# Altium PCB 1 040 1573.rev01.PcbDoc (part 3 of 3)
Units mm, origin at the board's own origin, x right, y up, seen from the top; angles counter-clockwise.
Board outline 106.1 x 59.15 mm, 2 copper layers (Top Layer, Bottom Layer); 130 components, 89 nets, 433 pads, 228 vias.
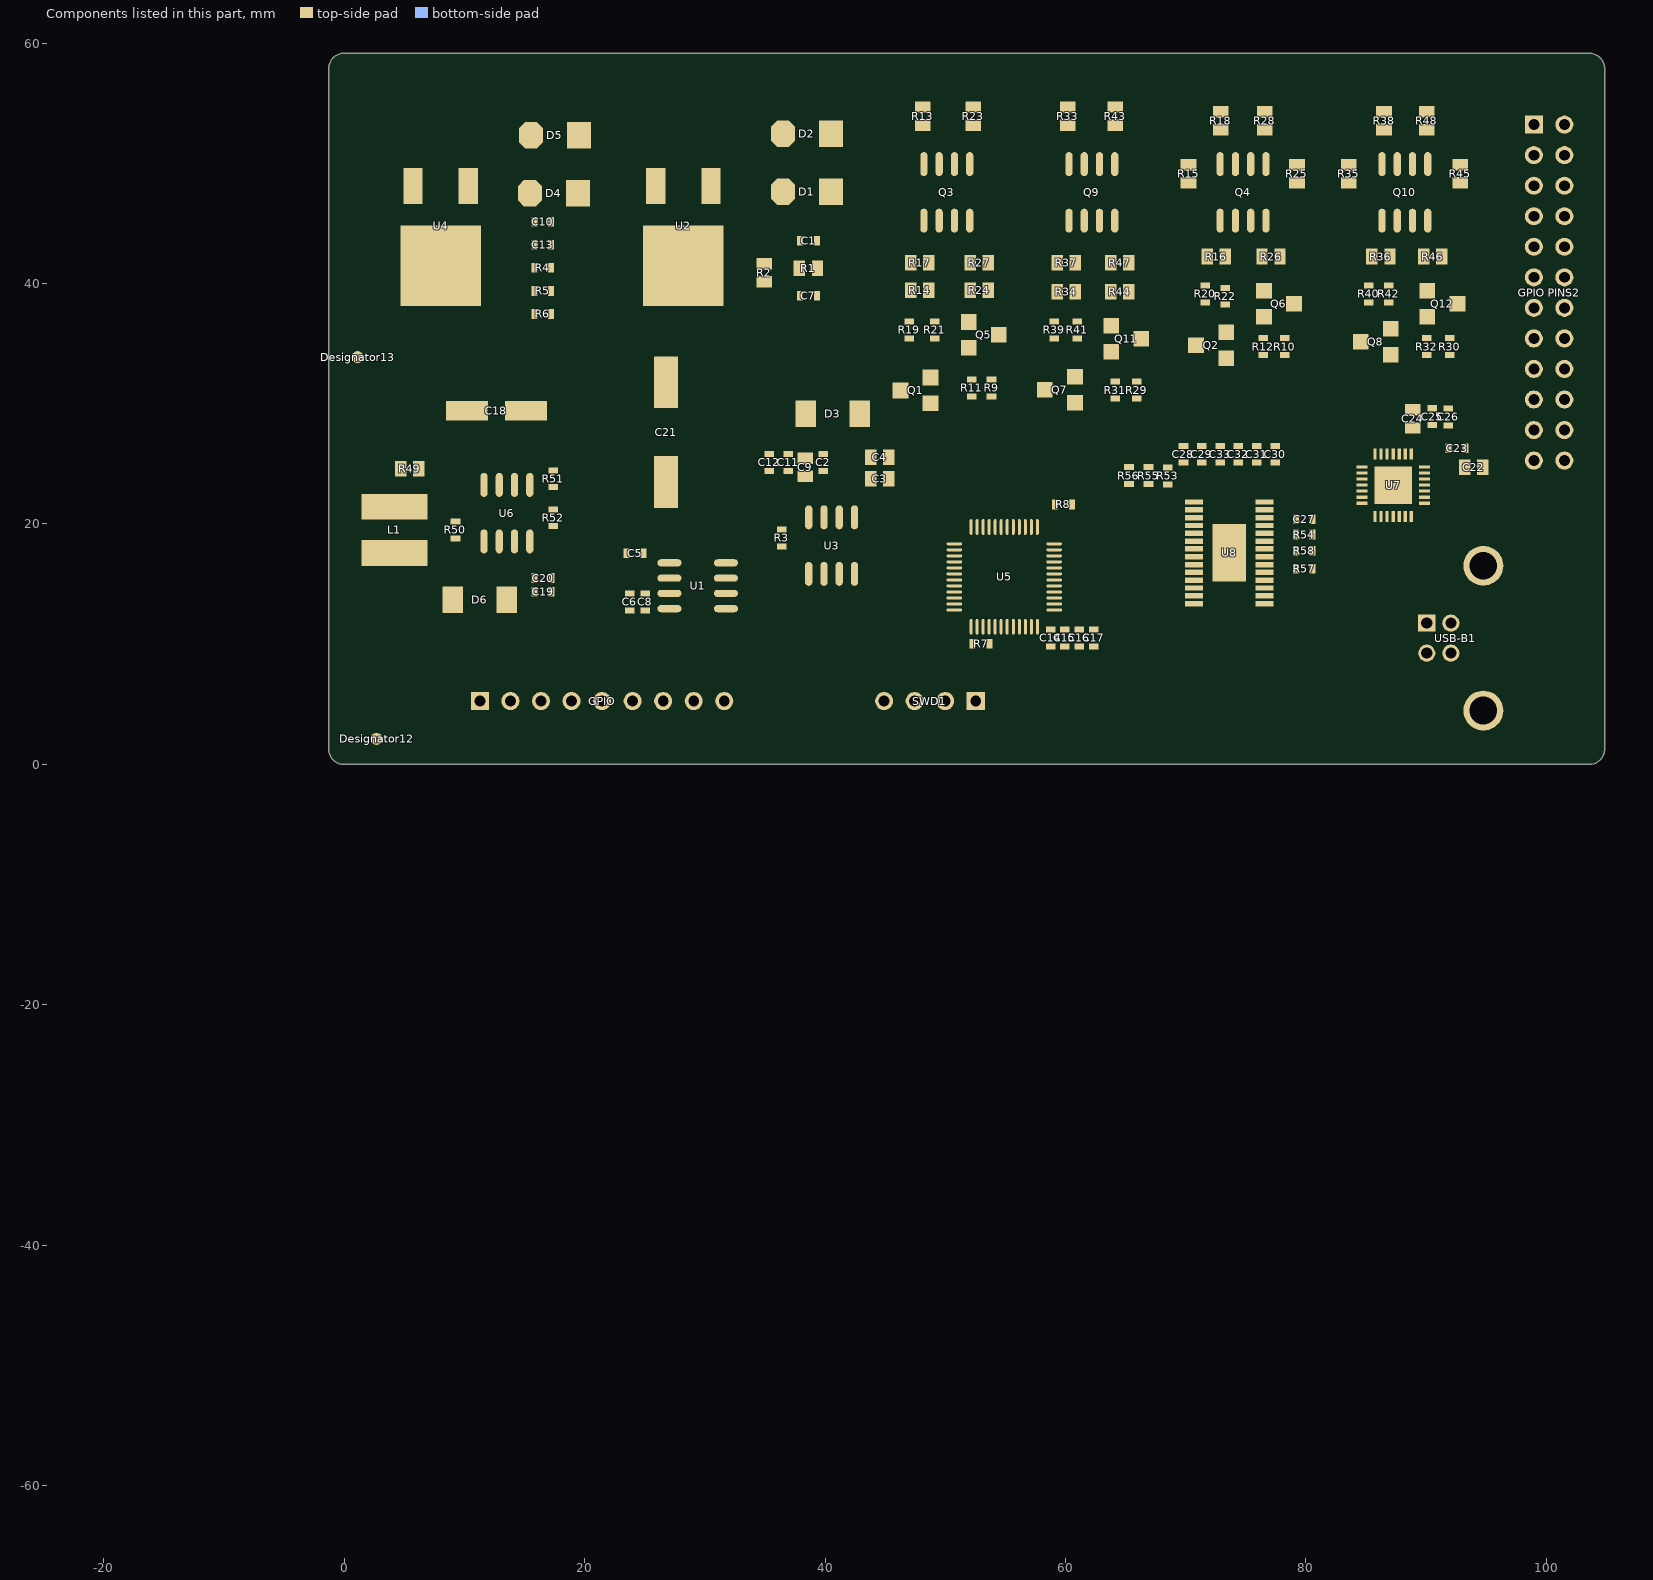
[diagram p3: the components of this part, seen from the top]

## Polygon pours and split planes (outlines as drawn) (continued)
"NetGPIO PINS2_2" on Bottom Layer "NETGPIO_PINS2_2_L02_P123" (solid, pour order 123): 50.755,43.025 50.755,42.825 51.055,42.525 52.155,42.525 52.372,42.742 52.372,43.008 51.555,43.825 51.055,43.825 50.755,43.525
NetQ10_2 on Bottom Layer "NETQ10_2_L02_P121" (solid, pour order 121): 17 vertices, not listed, extent 82.679,42.623 88.267,48.719
NetQ4_2 on Bottom Layer "NETQ4_2_L02_P117" (solid, pour order 117): 70.868,48.338 71.249,47.957 71.249,45.036 72.138,44.147 74.183,44.147 74.48,43.85 74.48,43.15 74.08,42.75 71.48,42.75 69.38,44.85 69.38,47.993 69.725,48.338
12VREG on Bottom Layer "12VREG_L02_P115" (solid, pour order 115): 24 vertices, not listed, extent 17.923,20.325 45.228,50.165
VCC12V on Bottom Layer "VCC12V_L02_P114" (solid, pour order 114): 4.22,46.99 15.09,46.99 16.399,45.681 16.399,35.994 15.73,35.325 4.655,35.325 2.355,37.625 2.355,45.125
GND on Top Layer "GND_L01_P308" (solid, remove dead copper, pour order 308): 0.205,59.2 103.51,59.2 104.83,57.88 104.83,1.27 103.56,0 0,0 -1.27,1.27 -1.27,57.88
PC14 on Top Layer "PC14_L01_P316" (solid, pour order 316): 31.62,6.545 32.28,6.545 32.7,6.125 32.7,4.35 32.25,3.9 30.725,3.9 30.375,4.25 30.375,6.225 30.7,6.55
PC15 on Top Layer "PC15_L01_P315" (solid, pour order 315): 29.08,6.545 29.74,6.545 30.16,6.125 30.16,4.35 29.71,3.9 28.185,3.9 27.835,4.25 27.835,6.225 28.16,6.55
PA8 on Top Layer "PA8_L01_P314" (solid, pour order 314): 26.54,6.545 27.2,6.545 27.62,6.125 27.62,4.35 27.17,3.9 25.645,3.9 25.295,4.25 25.295,6.225 25.62,6.55
PB15 on Top Layer "PB15_L01_P313" (solid, pour order 313): 24,6.545 24.66,6.545 25.08,6.125 25.08,4.35 24.63,3.9 23.105,3.9 22.755,4.25 22.755,6.225 23.08,6.55
PB14 on Top Layer "PB14_L01_P312" (solid, pour order 312): 21.46,6.545 22.12,6.545 22.54,6.125 22.54,4.35 22.09,3.9 20.565,3.9 20.215,4.25 20.215,6.225 20.54,6.55
PB13 on Top Layer "PB13_L01_P311" (solid, pour order 311): 18.92,6.545 19.58,6.545 20,6.125 20,4.35 19.55,3.9 18.025,3.9 17.675,4.25 17.675,6.225 18,6.55
PB12 on Top Layer "PB12_L01_P310" (solid, pour order 310): 16.38,6.545 17.04,6.545 17.46,6.125 17.46,4.35 17.01,3.9 15.485,3.9 15.135,4.25 15.135,6.225 15.46,6.55
VCC3V3 on Top Layer "VCC3V3_L01_P309" (solid, pour order 309): 11.3,6.545 11.96,6.545 12.38,6.125 12.38,4.35 11.93,3.9 10.405,3.9 10.055,4.25 10.055,6.225 10.38,6.55
VBUS on Top Layer "VBUS_L01_P296" (solid, pour order 296): 97.624,26.494 99.569,26.494 99.911,26.152 99.911,24.548 99.642,24.28 97.668,24.28 97.361,24.587 97.361,26.23
UART3V3 on Top Layer "UART3V3_L01_P282" (solid, pour order 282): 97.574,29.019 99.519,29.019 99.861,28.677 99.861,27.431 99.58,27.15 97.68,27.15 97.311,27.519 97.311,28.755
VCC12V on Top Layer "VCC12V_L01_P281" (solid, pour order 281): 100.408,26.417 102.353,26.417 102.695,26.075 102.695,24.471 102.426,24.203 100.452,24.203 100.145,24.51 100.145,26.153
NetC6_2 on Top Layer "NETC6_2_L01_P280" (solid, pour order 280): 100.408,28.957 102.353,28.957 102.695,28.615 102.695,27.011 102.426,26.743 100.452,26.743 100.145,27.05 100.145,28.693
NetC8_2 on Top Layer "NETC8_2_L01_P279" (solid, pour order 279): 100.408,31.497 102.353,31.497 102.695,31.155 102.695,29.551 102.426,29.283 100.452,29.283 100.145,29.59 100.145,31.233
NetC3_2 on Top Layer "NETC3_2_L01_P278" (solid, pour order 278): 100.408,34.037 102.353,34.037 102.695,33.695 102.695,32.091 102.426,31.823 100.452,31.823 100.145,32.13 100.145,33.773
"NetGPIO PINS2_20" on Top Layer "NETGPIO_PINS2_20_L01_P277" (solid, pour order 277): 100.408,36.577 102.353,36.577 102.695,36.235 102.695,34.631 102.426,34.363 100.452,34.363 100.145,34.67 100.145,36.313
"NetGPIO PINS2_19" on Top Layer "NETGPIO_PINS2_19_L01_P276" (solid, pour order 276): 100.408,39.117 102.353,39.117 102.695,38.775 102.695,37.171 102.426,36.903 100.452,36.903 100.145,37.21 100.145,38.853
"NetGPIO PINS2_18" on Top Layer "NETGPIO_PINS2_18_L01_P275" (solid, pour order 275): 100.408,41.657 102.353,41.657 102.695,41.315 102.695,39.711 102.426,39.443 100.452,39.443 100.145,39.75 100.145,41.393
"NetGPIO PINS2_17" on Top Layer "NETGPIO_PINS2_17_L01_P274" (solid, pour order 274): 100.408,44.197 102.353,44.197 102.695,43.855 102.695,42.251 102.426,41.983 100.452,41.983 100.145,42.29 100.145,43.933
"NetGPIO PINS2_4" on Top Layer "NETGPIO_PINS2_4_L01_P273" (solid, pour order 273): 97.868,46.737 99.813,46.737 100.155,46.395 100.155,44.791 99.886,44.523 97.912,44.523 97.605,44.83 97.605,46.473
"NetGPIO PINS2_3" on Top Layer "NETGPIO_PINS2_3_L01_P272" (solid, pour order 272): 97.868,49.277 99.813,49.277 100.155,48.935 100.155,47.331 99.886,47.063 97.912,47.063 97.605,47.37 97.605,49.013
"NetGPIO PINS2_2" on Top Layer "NETGPIO_PINS2_2_L01_P271" (solid, pour order 271): 97.868,51.817 99.813,51.817 100.155,51.475 100.155,49.871 99.886,49.603 97.912,49.603 97.605,49.91 97.605,51.553
"NetGPIO PINS2_1" on Top Layer "NETGPIO_PINS2_1_L01_P270" (solid, pour order 270): 97.868,54.357 99.813,54.357 100.155,54.015 100.155,52.411 99.886,52.143 97.912,52.143 97.605,52.45 97.605,54.093
GND on Top Layer "GND_L01_P142" (solid, pour order 142): 21 vertices, not listed, extent 79.83,43.375 89.43,48.225
GND on Top Layer "GND_L01_P111" (solid, pour order 111): 42.355,21.625 42.055,21.325 42.055,19.85 42.43,19.475 45.405,19.475 45.905,19.975 45.905,26.3 45.755,26.45 45.28,26.45 44.855,26.025 44.855,22.225 44.255,21.625
LINTx on Top Layer "LINTX_L01_P266" (solid, pour order 266): 47.109,15.967 47.934,15.967 48.234,15.667 48.234,14.817 48.034,14.617 47.059,14.617 46.834,14.842 46.834,15.692
LINRx on Top Layer "LINRX_L01_P260" (solid, pour order 260): 47.605,13.975 48.43,13.975 48.73,13.675 48.73,13.025 48.33,12.625 47.555,12.625 47.33,12.85 47.33,13.7
SWCLK on Top Layer "SWCLK_L01_P258" (solid, pour order 258): 48.959,12.867 49.663,12.867 50.084,12.446 50.084,11.717 49.884,11.517 48.909,11.517 48.684,11.742 48.684,12.592
SWDIO on Top Layer "SWDIO_L01_P256" (solid, pour order 256): 48.409,10.692 49.234,10.692 49.534,10.392 49.534,9.542 49.334,9.342 48.359,9.342 48.134,9.567 48.134,10.417
SWCLK on Top Layer "SWCLK_L01_P254" (solid, pour order 254): 45.621,12.185 46.446,12.185 46.746,11.885 46.746,11.035 46.546,10.835 45.571,10.835 45.346,11.06 45.346,11.91
LINTx on Top Layer "LINTX_L01_P252" (solid, pour order 252): 44.816,15.237 45.641,15.237 45.941,14.937 45.941,14.087 45.741,13.887 44.766,13.887 44.541,14.112 44.541,14.962
LINRx on Top Layer "LINRX_L01_P250" (solid, pour order 250): 43.959,13.217 44.784,13.217 45.084,12.917 45.084,12.067 44.884,11.867 43.909,11.867 43.684,12.091 43.684,12.942
SWDIO on Top Layer "SWDIO_L01_P248" (solid, pour order 248): 44.034,10.899 44.859,10.899 45.159,10.599 45.159,9.749 44.959,9.549 43.984,9.549 43.759,9.774 43.759,10.624
CANRx on Top Layer "CANRX_L01_P246" (solid, pour order 246): 41.509,10.142 42.334,10.142 42.634,9.842 42.634,8.992 42.434,8.792 41.459,8.792 41.234,9.016 41.234,9.867
CANTx on Top Layer "CANTX_L01_P244" (solid, pour order 244): 41.259,8.517 42.084,8.517 42.384,8.217 42.384,7.367 42.184,7.167 41.209,7.167 40.984,7.392 40.984,8.242
CANRx on Top Layer "CANRX_L01_P242" (solid, pour order 242): 34.209,14.342 35.034,14.342 35.334,14.042 35.334,13.192 35.134,12.992 34.159,12.992 33.934,13.217 33.934,14.067
CANRx on Top Layer "CANRX_L01_P241" (solid, pour order 241): 30.105,17.45 30.105,16.825 30.58,16.35 32.58,16.35 32.912,16.682 32.912,17.654 32.066,18.5 31.155,18.5
LINEN on Top Layer "LINEN_L01_P238" (solid, pour order 238): 41.409,12.292 42.234,12.292 42.534,11.992 42.534,11.142 42.334,10.942 41.359,10.942 41.134,11.167 41.134,12.017
NetL1_1 on Top Layer "NETL1_1_L01_P094" (solid, pour order 94): 27 vertices, not listed, extent 1.125,18.363 13.329,25.729
CANRx on Top Layer "CANRX_L01_P236" (solid, pour order 236): 54.584,9.492 55.409,9.492 55.709,9.192 55.709,8.342 55.509,8.142 54.534,8.142 54.309,8.367 54.309,9.217
CANTx on Top Layer "CANTX_L01_P234" (solid, pour order 234): 56.668,9.277 57.493,9.277 57.793,8.977 57.793,8.127 57.593,7.927 56.618,7.927 56.393,8.152 56.393,9.002
NetR19_1 on Top Layer "NETR19_1_L01_P136" (solid, pour order 136): 65.956,15.5 67.13,15.5 67.827,16.197 67.827,16.528 67.658,16.697 65.803,16.697 65.557,16.452 65.557,15.898
NetR9_1 on Top Layer "NETR9_1_L01_P149" (solid, pour order 149): 68.482,18.148 68.554,18.076 68.554,17.646 67.869,16.961 67.157,16.961 66.807,17.311 66.807,17.836 67.119,18.148
NetQ8_3 on Top Layer "NETQ8_3_L01_P233" (solid, pour order 233): 26 vertices, not listed, extent 82.152,35.263 87.755,42.875
VCC3V3 on Top Layer "2" (solid, pour order 88): 20 vertices, not listed, extent 86.105,35.003 90.807,38.94
VCC3V3 on Top Layer "VCC3V3_L01_P230" (solid, pour order 230): 51.877,6.687 53.128,6.687 53.88,5.935 53.88,4.59 52.965,3.675 52.115,3.675 51.515,4.275 51.515,6.325
SWDIO on Top Layer "SWDIO_L01_P229" (solid, pour order 229): 44.277,6.712 45.528,6.712 45.94,6.3 45.94,4.275 45.365,3.7 44.515,3.7 43.455,4.76 43.455,5.89
SWCLK on Top Layer "SWCLK_L01_P228" (solid, pour order 228): 49.605,6.875 50.33,6.875 51.005,6.2 51.005,4.175 50.43,3.6 49.58,3.6 48.98,4.2 48.98,6.25
NetR55_1 on Top Layer "NETR55_1_L01_P227" (solid, pour order 227): 68.094,20.925 68.848,20.925 69.184,20.589 69.184,19.784 68.983,19.583 68.037,19.583 67.784,19.837 67.784,20.614
NetR56_1 on Top Layer "NETR56_1_L01_P226" (solid, pour order 226): 65.715,20.426 66.778,20.426 66.959,20.245 66.959,19.283 66.871,19.195 65.856,19.195 65.559,19.492 65.559,20.27
NetR55_1 on Top Layer "NETR55_1_L01_P223" (solid, pour order 223): 66.548,23.325 67.255,23.325 67.562,23.018 67.562,21.904 67.317,21.659 66.459,21.659 66.162,21.956 66.162,22.939
NetR56_1 on Top Layer "NETR56_1_L01_P221" (solid, pour order 221): 64.555,23.277 65.618,23.277 65.799,23.096 65.799,22.189 65.535,21.925 64.669,21.925 64.399,22.195 64.399,23.121
NetR56_1 on Top Layer "NETR56_1_L01_P219" (solid, pour order 219): 55.643,23.455 56.705,23.455 56.887,23.273 56.887,22.468 56.642,22.223 55.784,22.223 55.487,22.521 55.487,23.298
NetR39_1 on Top Layer "NETR39_1_L01_P216" (solid, pour order 216): 59.23,35.825 59.605,35.45 59.605,33.975 59.405,33.775 58.555,33.775 58.205,34.125 58.205,35.575 58.455,35.825
NetR20_1 on Top Layer "NETR20_1_L01_P215" (solid, pour order 215): 67.793,35.208 68.855,35.208 69.036,35.027 69.036,34.222 68.791,33.977 67.934,33.977 67.636,34.274 67.636,35.052
NetR20_1 on Top Layer "NETR20_1_L01_P213" (solid, pour order 213): 70.255,38.875 70.03,38.65 70.03,38.018 70.317,37.731 70.32,37.734 71.396,37.734 71.839,37.734 72.005,37.9 72.005,38.7 71.83,38.875
NetR30_1 on Top Layer "NETR30_1_L01_P210" (solid, pour order 210): 93.003,35.9 93.745,35.9 94.087,35.559 94.087,34.754 93.842,34.509 92.984,34.509 92.686,34.806 92.686,35.584
NetR40_1 on Top Layer "NETR40_1_L01_P208" (solid, pour order 208): 84.341,38.825 85.48,38.825 85.68,38.625 85.68,37.9 84.765,36.985 83.874,36.985 83.576,37.283 83.576,38.06
NetR10_1 on Top Layer "NETR10_1_L01_P206" (solid, pour order 206): 80.418,34.29 81.48,34.29 81.662,34.109 81.662,33.304 81.417,33.059 80.559,33.059 80.261,33.356 80.261,34.134
NetC27_2 on Top Layer "NETC27_2_L01_P204" (solid, pour order 204): 75.393,31.644 76.455,31.644 76.637,31.463 76.637,30.658 76.392,30.413 75.534,30.413 75.237,30.71 75.237,31.488
GND on Top Layer "GND_L01_P202" (solid, pour order 202): 70.193,32.688 71.256,32.688 71.437,32.506 71.437,31.701 71.192,31.456 70.335,31.456 70.037,31.754 70.037,32.531
NetR29_1 on Top Layer "NETR29_1_L01_P200" (solid, pour order 200): 67.253,32.421 68.315,32.421 68.497,32.239 68.497,31.434 68.252,31.189 67.394,31.189 67.097,31.487 67.097,32.264
NetR40_1 on Top Layer "NETR40_1_L01_P198" (solid, pour order 198): 80.268,28.49 81.33,28.49 81.512,28.309 81.512,27.504 81.267,27.259 80.409,27.259 80.112,27.556 80.112,28.334
UART3V3 on Top Layer "UART3V3_L01_P196" (solid, pour order 196): 96.928,23.505 97.991,23.505 98.172,23.324 98.172,22.519 97.927,22.274 97.07,22.274 96.772,22.571 96.772,23.349
NetU7_5 on Top Layer "NETU7_5_L01_P194" (solid, pour order 194): 98.469,22.413 99.532,22.413 99.713,22.232 99.713,21.382 99.513,21.182 98.61,21.182 98.313,21.479 98.313,22.257
NetU7_4 on Top Layer "NETU7_4_L01_P192" (solid, pour order 192): 91.292,10.288 92.968,10.288 93.217,10.038 93.217,8.112 92.305,7.2 92.105,7.2 91.043,8.263 91.043,10.038
NetR56_1 on Top Layer "NETR56_1_L01_P188" (solid, pour order 188): 58.489,23.915 59.551,23.915 59.732,23.733 59.732,22.883 59.532,22.683 58.63,22.683 58.332,22.981 58.332,23.758
NetU5_12 on Top Layer "NETU5_12_L01_P186" (solid, pour order 186): 60.127,24.969 61.189,24.969 61.371,24.788 61.371,23.938 61.171,23.738 60.268,23.738 59.971,24.036 59.971,24.813
NetU5_12 on Top Layer "NETU5_12_L01_P180" (solid, pour order 180): 60.919,20.578 61.744,20.578 62.044,20.278 62.044,19.428 61.844,19.228 60.747,19.228 60.644,19.331 60.644,20.303
LIN_NRES on Top Layer "LIN_NRES_L01_P184" (solid, pour order 184): 60.868,17.151 61.931,17.151 62.112,16.97 62.112,16.12 61.912,15.92 61.009,15.92 60.712,16.217 60.712,16.995
LINEN on Top Layer "LINEN_L01_P182" (solid, pour order 182): 61.387,18.87 62.212,18.87 62.512,18.57 62.512,17.72 62.312,17.52 61.337,17.52 61.112,17.745 61.112,18.595
NetQ1_3 on Top Layer "NETQ1_3_L01_P179" (solid, pour order 179): 20 vertices, not listed, extent 45.43,31.425 49.355,40.21
GND on Top Layer "GND_L01_P130" (solid, pour order 130): 54.372,38.044 55.636,38.044 55.88,37.8 55.88,35.744 55.48,35.344 54.08,35.344 53.68,35.744 53.68,37.744 53.98,38.044
NetQ7_3 on Top Layer "NETQ7_3_L01_P177" (solid, pour order 177): 23 vertices, not listed, extent 56.855,31.45 61.605,40.225
NetQ9_4 on Top Layer "NETQ9_4_L01_P052" (solid, pour order 52): 25 vertices, not listed, extent 63.291,38.85 67.63,53.625
NetQ2_3 on Top Layer "NETQ2_3_L01_P075" (solid, pour order 75): 21 vertices, not listed, extent 69.105,35.125 73.955,42.875
GND on Top Layer "GND_L01_P176" (solid, pour order 176): 57.455,18.4 57.855,18 57.855,17.25 57.18,16.575 57.18,13.95 56.655,13.425 52.855,13.425 52.505,13.775 52.505,17.95 52.955,18.4
VCC3V3 on Top Layer "VCC3V3_L01_P174" (solid, pour order 174): 66.905,25.461 64.891,25.461 64.605,25.175 64.605,24.504 64.769,24.34 66.905,24.34
VBUS on Top Layer "VBUS_L01_P173" (solid, pour order 173): 88.5,28.644 85.924,28.644 85.555,28.275 85.555,27.275 85.805,27.025 88.205,27.025 88.665,27.485
VBUS on Top Layer "VBUS_L01_P171" (solid, pour order 171): 21 vertices, not listed, extent 87.705,24.6 93.33,28.644
NetC3_2 on Top Layer "NETC3_2_L01_P170" (solid, pour order 170): 48.967,27.987 49.392,27.562 49.392,26.213 49.167,25.987 47.892,25.987 46.88,27 46.88,27.524 47.344,27.987
GND on Top Layer "GND_L01_P167" (solid, pour order 167): 91.105,20.925 91.905,20.925 92.155,21.175 92.155,21.825 91.355,22.625 91.105,22.625 90.855,22.375 90.855,21.108
GND on Top Layer "GND_L01_P166" (solid, pour order 166): 81.655,21.35 82.067,21.35 82.317,21.1 82.317,18.625 81.993,18.3 81.167,18.3 80.917,18.55 80.917,21.025 81.242,21.35
GND on Top Layer "GND_L01_P163" (solid, pour order 163): 88.722,24.875 88.98,24.617 88.98,21.625 88.755,21.4 85.83,21.4 85.48,21.75 85.48,24.617 85.738,24.875
NetR30_1 on Top Layer "NETR30_1_L01_P161" (solid, pour order 161): 68.405,10.3 69.23,10.3 69.53,10 69.53,9.15 69.33,8.95 68.355,8.95 68.13,9.175 68.13,10.025
NetR10_1 on Top Layer "NETR10_1_L01_P159" (solid, pour order 159): 66.319,11.565 67.144,11.565 67.444,11.265 67.444,10.415 67.244,10.215 66.269,10.215 66.044,10.44 66.044,11.29
NetR39_1 on Top Layer "NETR39_1_L01_P156" (solid, pour order 156): 66.519,13.515 67.344,13.515 67.644,13.215 67.644,12.365 67.444,12.165 66.469,12.165 66.244,12.39 66.244,13.24
NetR29_1 on Top Layer "NETR29_1_L01_P154" (solid, pour order 154): 65.755,15.2 66.58,15.2 66.88,14.9 66.88,14.05 66.68,13.85 65.705,13.85 65.48,14.075 65.48,14.925
NetR9_1 on Top Layer "NETR9_1_L01_P152" (solid, pour order 152): 54.33,32.4 56.055,30.675 56.055,29.625 55.83,29.4 55.13,29.4 54.755,29.775 54.755,31.075 54.33,31.5 53.43,31.5 53.305,31.625 53.305,32.25 53.455,32.4
GND on Top Layer "GND_L01_P145" (solid, pour order 145): 17.78,27.15 18.13,26.8 18.13,24.15 17.905,23.925 16.88,23.925 16.555,24.25 16.555,26.875 16.83,27.15
NetQ10_4 on Top Layer "NETQ10_4_L01_P081" (solid, pour order 81): 93.355,48.825 93.755,48.425 93.755,47.125 92.355,45.725 92.355,41.925 91.955,41.525 91.355,41.525 90.955,41.925 90.955,43.681 90.711,43.925 90.355,43.925 89.83,44.45 89.83,46.3 92.355,48.825
GND on Top Layer "GND_L01_P140" (solid, pour order 140): 22 vertices, not listed, extent 68.205,43.325 76.08,48.225
GND on Top Layer "GND_L01_P137" (solid, pour order 137): 66.905,37.338 67.605,37.338 67.78,37.513 67.78,38.275 67.367,38.687 66.73,38.687 66.405,38.362 66.405,37.647
NetR19_1 on Top Layer "NETR19_1_L01_P132" (solid, pour order 132): 46.555,35.725 47.455,35.725 47.755,35.425 47.755,34.125 47.355,33.725 46.555,33.725 46.255,34.025 46.255,35.525
GND on Top Layer "GND_L01_P127" (solid, pour order 127): 45.755,42.725 47.555,42.725 47.881,42.399 47.881,41.051 47.655,40.825 44.105,40.825 43.755,41.175 43.755,42.35 44.13,42.725
GND on Top Layer "GND_L01_P125" (solid, pour order 125): 66.055,43.625 66.355,43.325 66.355,41.225 65.955,40.825 65.055,40.825 64.755,41.125 64.755,43.325 65.055,43.625
NetQ3_4 on Top Layer "NETQ3_4_L01_P038" (solid, remove dead copper, pour order 38): 29 vertices, not listed, extent 51.455,38.686 55.555,53.672
GND on Top Layer "GND_L01_P122" (solid, pour order 122): 52.955,41.225 53.255,40.925 54.155,40.925 54.355,41.125 54.355,43.425 54.055,43.725 53.255,43.725 52.955,43.425
"NetGPIO PINS2_2" on Top Layer "NETGPIO_PINS2_2_L01_P040" (solid, pour order 40): 51.183,46.433 51.437,46.179 51.437,43.943 52.372,43.008 52.372,41.142 51.948,40.718 51.056,40.718 50.755,41.018 50.755,43.939 50.421,44.274 50.421,46.179 50.675,46.433
NetQ10_2 on Top Layer "NETQ10_2_L01_P120" (solid, pour order 120): 83.961,48.719 84.355,48.325 84.355,46.922 83.958,46.525 83.155,46.525 82.655,47.025 82.655,48.441 82.933,48.719
NetQ4_2 on Top Layer "NETQ4_2_L01_P118" (solid, pour order 118): 70.955,48.825 71.455,48.325 71.455,46.703 71.077,46.325 69.555,46.325 69.055,46.825 69.055,48.525 69.355,48.825
12VREG on Top Layer "12VREG_L01_P027" (solid, pour order 27): 22.455,48.725 22.455,45.299 21.606,44.45 18.93,44.45 18.055,45.325 18.055,49.154 18.431,49.53 21.65,49.53
VCC3V3 on Top Layer "VCC3V3_L01_P112" (solid, pour order 112): 66.605,25.461 75.726,25.461 78.784,25.461 79.284,24.961 79.284,22.316 78.583,21.615 76.23,21.615 75.305,22.54 75.305,23.74 74.705,24.34 66.605,24.34
VCC12V on Top Layer "VCC12V_L01_P107" (solid, pour order 107): 40.155,24.925 40.505,24.575 40.505,22.7 40.334,22.529 40.334,19.348 40.207,19.221 39.445,19.221 39.38,19.286 39.38,24.617 39.688,24.925
NetC3_2 on Top Layer "NETC3_2_L01_P110" (solid, pour order 110): 43.655,31.45 44.155,30.95 44.155,22.725 43.655,22.225 42.155,22.225 41.655,21.725 41.655,19.725 41.255,19.325 40.955,19.325 40.755,19.525 40.755,22.15 41.955,23.35 41.955,30.9 42.505,31.45
LIN_NRES on Top Layer "LIN_NRES_L01_P106" (solid, pour order 106): 41.35,18.586 41.604,18.332 41.604,14.776 41.35,14.522 40.969,14.522 40.715,14.776 40.715,16.935 40.08,17.57 36.21,17.57 35.955,17.825 35.955,18.325 36.216,18.586
VCC5V on Top Layer "VCC5V_L01_P105" (solid, pour order 105): 26 vertices, not listed, extent 30.498,14.905 38.93,24.814
NetC6_1 on Top Layer "NETC6_1_L01_P104" (solid, pour order 104): 25.555,13.325 27.795,13.325 28.049,13.071 28.049,12.563 27.795,12.309 23.424,12.309 23.162,12.571 23.162,12.971 23.516,13.325
NetC8_2 on Top Layer "NETC8_2_L01_P103" (solid, pour order 103): 26.606,14.776 28.015,14.776 28.269,14.522 28.269,14.014 28.015,13.76 24.695,13.76 24.455,14 24.455,14.525 24.706,14.776
NetC5_1 on Top Layer "NETC5_1_L01_P102" (solid, pour order 102): 24.586,18.205 27.761,18.205 28.396,17.57 28.396,16.808 27.888,16.3 25.856,16.3 25.348,16.808 24.713,16.808 24.459,17.062 24.459,17.951
12VREG on Top Layer "12VREG_L01_P097" (solid, pour order 97): 29 vertices, not listed, extent 12.186,10.743 30.255,27.725
GND on Top Layer "GND_L01_P101" (solid, pour order 101): 25 vertices, not listed, extent 12.455,13.625 18.855,21.425
NetC19_2 on Top Layer "NETC19_2_L01_P100" (solid, pour order 100): 14.155,19.525 14.255,19.425 14.455,19.425 14.455,17.025 15.555,15.925 16.055,15.925 16.255,15.725 16.255,13.825 16.055,13.625 15.655,13.625 15.455,13.825 15.455,15.225 13.755,16.925 13.755,19.325 13.955,19.525
VBUS on Top Layer "VBUS_L01_P098" (solid, pour order 98): 18 vertices, not listed, extent 5.755,22.125 14.68,32.825
NetR51_2 on Top Layer "NETR51_2_L01_P095" (solid, pour order 95): 15.724,24.459 15.933,24.25 15.933,23.747 16.174,23.506 17.874,23.506 18.282,23.098 18.282,21.03 17.977,20.725 16.784,20.725 15.606,21.903 15.055,22.454 15.055,24.225 15.289,24.459
NetR50_2 on Top Layer "NETR50_2_L01_P093" (solid, pour order 93): 11.035,24.625 11.691,24.625 12.059,24.257 12.059,22.829 10.027,20.797 10.027,20.014 9.773,19.76 9.22,19.76 8.355,20.625 8.355,21.945
NetD6_1 on Top Layer "NETD6_1_L01_P091" (solid, pour order 91): 25 vertices, not listed, extent 1.25,10.725 12.186,19.379
NetQ8_2 on Top Layer "NETQ8_2_L01_P089" (solid, pour order 89): 92.355,34.425 92.585,34.195 92.585,33.733 92.331,33.479 89.41,33.479 88.775,32.844 86.536,32.844 86.235,33.145 86.235,34.305 86.552,34.622 87.658,34.622 87.855,34.425
NetQ12_3 on Top Layer "NETQ12_3_L01_P087" (solid, pour order 87): 25 vertices, not listed, extent 89.029,36.385 91.696,43.243
NetQ12_2 on Top Layer "NETQ12_2_L01_P084" (solid, pour order 84): 90.455,40.225 90.755,39.925 90.755,38.825 90.489,38.559 89.621,38.559 89.219,38.961 88.855,39.325 85.022,39.325 84.711,39.637 84.711,40.051 84.885,40.225
NetQ10_2 on Top Layer "NETQ10_2_L01_P082" (solid, pour order 82): 87.947,46.433 88.184,46.196 88.184,43.81 88.013,43.639 88.013,41.607 87.759,41.353 86.827,41.353 86.634,41.546 86.634,43.403 87.155,43.924 87.155,46.019 87.569,46.433
"NetGPIO PINS2_20" on Top Layer "NETGPIO_PINS2_20_L01_P080" (solid, pour order 80): 90.589,53.391 90.955,53.025 90.955,49 90.647,48.692 88.729,48.692 88.726,48.689 88.455,48.961 88.455,53.025 88.821,53.391
"NetGPIO PINS2_19" on Top Layer "NETGPIO_PINS2_19_L01_P079" (solid, pour order 79): 87.414,53.291 88.08,52.625 88.08,49.125 87.547,48.592 86.113,48.592 85.655,49.05 85.655,52.75 86.196,53.291
NetQ2_2 on Top Layer "NETQ2_2_L01_P078" (solid, pour order 78): 74.424,34.649 74.678,34.395 78.647,34.395 78.869,34.173 78.869,33.633 78.661,33.425 74.655,33.425 74.255,33.025 72.709,33.025 72.453,33.28 72.453,34.358 72.744,34.649
VCC3V3 on Top Layer "VCC3V3_L01_P077" (solid, pour order 77): 17 vertices, not listed, extent 72.355,35.003 77.091,38.94
NetQ6_3 on Top Layer "NETQ6_3_L01_P074" (solid, pour order 74): 26 vertices, not listed, extent 75.515,36.536 78.055,43.259
NetQ6_2 on Top Layer "NETQ6_2_L01_P076" (solid, pour order 76): 73.725,40.337 73.737,40.325 76.782,40.325 77.24,39.867 77.24,39.006 76.855,38.621 75.659,38.621 75.502,38.778 75.502,39.181 75.235,39.448 71.195,39.448 70.976,39.667 70.976,40.138 71.174,40.337
NetQ4_2 on Top Layer "NETQ4_2_L01_P073" (solid, pour order 73): 74.424,46.433 74.678,46.179 74.678,44.02 74.678,41.988 74.043,41.353 73.227,41.353 72.773,41.807 72.773,43.258 73.535,44.02 73.535,46.179 73.789,46.433
NetQ4_4 on Top Layer "NETQ4_4_L01_P072" (solid, pour order 72): 17 vertices, not listed, extent 76.208,41.48 80.52,48.846
"NetGPIO PINS2_18" on Top Layer "NETGPIO_PINS2_18_L01_P070" (solid, pour order 70): 77.055,53.325 77.455,52.925 77.455,49.125 76.955,48.625 75.455,48.625 74.955,49.125 74.955,52.925 75.355,53.325
"NetGPIO PINS2_17" on Top Layer "NETGPIO_PINS2_17_L01_P068" (solid, pour order 68): 74.155,53.225 74.555,52.825 74.555,49.025 74.055,48.525 72.555,48.525 72.055,49.025 72.055,52.825 72.455,53.225
NetQ11_3 on Top Layer "NETQ11_3_L01_P059" (solid, pour order 59): 21 vertices, not listed, extent 62.867,33.55 65.407,40.337
NetQ7_2 on Top Layer "NETQ7_2_L01_P067" (solid, pour order 67): 59.48,30.55 59.955,31.025 62.355,31.025 62.655,30.725 66.255,30.725 66.655,30.325 66.655,29.725 66.255,29.325 59.855,29.325 59.48,29.7
VCC3V3 on Top Layer "VCC3V3_L01_P061" (solid, pour order 61): 17 vertices, not listed, extent 60.166,31.369 64.913,35.941
NetQ11_2 on Top Layer "NETQ11_2_L01_P060" (solid, pour order 60): 58.422,36.4 58.596,36.225 62.533,36.225 62.994,35.765 64.095,35.765 64.645,36.315 64.645,37.035 64.264,37.416 58.864,37.416 58.855,37.425 58.422,36.992 58.422,36.844
NetQ9_2 on Top Layer "NETQ9_2_L01_P051" (solid, pour order 51): 29 vertices, not listed, extent 58.295,38.525 62.455,53.775
"NetGPIO PINS2_3" on Top Layer "NETGPIO_PINS2_3_L01_P055" (solid, pour order 55): 60.581,46.306 60.835,46.052 60.835,43.639 61.597,42.877 61.597,40.972 61.47,40.845 60.454,40.845 60.327,40.972 60.327,42.553 59.819,43.061 59.819,46.052 60.073,46.306
"NetGPIO PINS2_4" on Top Layer "NETGPIO_PINS2_4_L01_P054" (solid, pour order 54): 63.375,46.306 63.375,43.766 64.264,42.877 64.264,41.334 63.855,40.925 63.155,40.925 62.74,41.34 62.74,44.02 62.359,44.401 62.359,46.306 62.613,46.56 63.121,46.56
+24V on Top Layer "+24V_L01_P030" (solid, pour order 30): 94 vertices, not listed, extent 18.304,29.325 99.73,55.775
NetQ1_2 on Top Layer "NETQ1_2_L01_P050" (solid, pour order 50): 48.455,30.825 54.177,30.825 54.455,30.547 54.455,29.938 53.742,29.225 48.255,29.225 48.055,29.425 48.055,30.425
NetQ5_3 on Top Layer "NETQ5_3_L01_P045" (solid, pour order 45): 20 vertices, not listed, extent 51.155,33.604 53.088,40.24
VCC3V3 on Top Layer "VCC3V3_L01_P049" (solid, pour order 49): 50.469,36.117 50.85,35.736 50.85,33.704 51.232,33.323 52.755,33.323 53.009,33.069 53.009,31.979 52.585,31.555 50.534,31.555 50.215,31.873 50.215,33.065 48.31,34.97 48.31,35.99 48.437,36.117
NetQ5_2 on Top Layer "NETQ5_2_L01_P046" (solid, pour order 46): 46.455,36.525 46.58,36.4 50.58,36.4 51.21,35.77 52.302,35.77 52.302,35.772 52.555,36.025 52.555,37.225 52.255,37.525 46.655,37.525 46.455,37.325
NetQ3_2 on Top Layer "NETQ3_2_L01_P039" (solid, pour order 39): 29 vertices, not listed, extent 46.255,38.525 50.486,53.71
"NetGPIO PINS2_1" on Top Layer "NETGPIO_PINS2_1_L01_P041" (solid, pour order 41): 48.555,46.325 48.755,46.125 48.755,43.325 49.355,42.725 49.355,41.225 49.055,40.925 48.455,40.925 48.255,41.125 48.255,42.925 47.855,43.325 47.855,46.125 48.055,46.325
12VREG on Top Layer "12VREG_L01_P035" (solid, pour order 35): 44.215,50.165 45.228,49.152 45.228,46.098 44.217,45.087 39.993,45.087 39.155,45.925 39.155,49.125 40.195,50.165
VCC3V3 on Top Layer "VCC3V3_L01_P033" (solid, pour order 33): 31.587,45.593 32.147,45.033 32.147,42.164 33.544,40.767 35.703,40.767 36.465,40.005 37.675,40.005 38.497,39.183 38.497,37.338 37.384,36.225 24.751,36.225 23.257,37.719 23.257,44.831 24.019,45.593
NetC1_2 on Top Layer "NETC1_2_L01_P031" (solid, pour order 31): 19 vertices, not listed, extent 24.146,42.661 38.243,54.25
NetR1_2 on Top Layer "NETR1_2_L01_P032" (solid, pour order 32): 20 vertices, not listed, extent 28.455,40.325 38.455,50.673
NetR4_1 on Top Layer "NETR4_1_L01_P026" (solid, pour order 26): 16.78,41.91 17.796,41.91 17.923,41.783 17.923,38.608 17.796,38.481 16.78,38.481 16.653,38.608 16.653,41.783
NetC10_2 on Top Layer "NETC10_2_L01_P008" (solid, pour order 8): 19 vertices, not listed, extent 3.35,44.201 17.193,54.58
VCC12V on Top Layer "VCC12V_L01_P025" (solid, pour order 25): 13.859,43.942 16.272,43.942 16.399,43.815 16.399,40.386 16.272,40.259 15.129,40.259 14.494,40.894 14.494,42.672 13.732,43.434 13.732,43.815
VCC12V on Top Layer "VCC12V_L01_P010" (solid, pour order 10): 4.569,35.325 11.211,35.325 12.462,36.576 12.462,40.132 11.954,40.64 11.954,44.958 11.065,45.847 7.001,45.847 3.855,45.825 3.755,45.825 2.355,44.425 2.355,37.539
NetR5_1 on Top Layer "NETR5_1_L01_P009" (solid, pour order 9): 24 vertices, not listed, extent 8.655,36.195 16.399,50.927

## Keep-outs
Keep-Out Layer:
  lines w0.254: -1.27,1.27 ccw(c0,1.27) 0,0 103.56,0 ccw(c103.56,1.27) 104.83,1.27 104.83,57.88 ccw(c103.56,57.88) 103.56,59.15 2.455,59.15 0,59.15 ccw(c0,57.88) -1.27,57.88 -1.27,1.27

## Other copper
Top Layer:
  region net VCC12V: 16.399,40.386 16.272,40.259 15.129,40.259 14.494,40.894 14.494,42.672 13.732,43.434 13.732,43.815 13.859,43.942 16.272,43.942 16.399,43.815
  region net NetQ2_3: 72.519,35.511 72.138,35.892 72.138,36.019 72.265,36.146 72.646,36.146 72.773,36.019 72.773,35.511

## Silkscreen, mask and mechanical layers (free items; w line width, h text height)
Top Overlay:
  text "1 040 1573.rev01" at 23.705,55.847 h2
  text "PWM1" at 94.955,52.928 h1.2
  text "GND" at 103.534,52.293 h1.2 r90
  text "PWM2" at 94.955,50.528 h1.2
  text "GND" at 103.534,49.693 h1.2 r90
  text "PWM3" at 94.955,47.934 h1.2
  text "GND" at 103.534,47.293 h1.2 r90
  text "PWM4" at 94.955,45.328 h1.2
  text "GND" at 103.546,44.625 h1.2 r90
  text "24V" at 96.055,42.728 h1.2
  text "RG1" at 103.546,42.225 h1.2 r90
  text "24V" at 96.055,40.128 h1.2
  text "RG2" at 103.546,39.625 h1.2 r90
  text "24V" at 96.055,37.628 h1.2
  text "RG3" at 103.546,37.325 h1.2 r90
  text "24V" at 96.055,35.028 h1.2
  text "RG4" at 103.546,34.725 h1.2 r90
  text "24V" at 96.055,32.528 h1.2
  text "LIN" at 103.552,32.125 h1.2 r90
  text "24V" at 96.055,29.828 h1.2
  text "CANH" at 103.547,29.025 h1.2 r90
  text "UART3V3" at 93.855,27.734 h1.2
  text "CANL" at 103.547,26.525 h1.2 r90
  text "VBUS" at 95.356,25.034 h1.2
  text "12V" at 103.552,24.425 h1.2 r90
  text "3V3" at 10.28,3.159 h1.2
  text "GND" at 12.93,3.159 h1.2
  text "PB12" at 15.455,3.153 h1.2
  text "PB13" at 17.98,3.159 h1.2
  text "PB14" at 20.73,3.153 h1.2
  text "PB15" at 23.28,3.159 h1.2
  text "PA8" at 25.805,3.159 h1.2
  text "PC15" at 28.355,3.159 h1.2
  text "PC14" at 31.005,3.158 h1.2
  text "3V3" at 51.98,3.134 h1.2
  text "SWCLK" at 48.955,3.109 h1.2
  text "GND" at 46.755,3.084 h1.2
  text "SWDIO" at 43.405,3.034 h1.2

## Dimensions
103.306,0 to 103.51,59.2 on Top Overlay
104.83,57.88 to -1.27,57.88 on Top Overlay

## Text inside footprints (layer, text, board x,y; h text height)
C18: Top Overlay "+" at 10.324,30.422 h1.5
C21: Top Overlay "+" at 25.401,23.224 h5 r90
Designator6: Top Overlay "Pb" at 4.781,52.031 h1.5
Designator9: Top Layer "13" at 59.655,4.025 h2; Top Solder "13" at 59.655,4.025 h2
Designator10: Top Overlay "Doğa ŞEN" at 7.955,-62.148 h3; Top Overlay "Çizen" at -20.955,-62.148 h3; Top Overlay "Beyaz" at 7.955,-53.022 h3; Top Overlay "Bottom Serigrafi" at -20.955,-53.072 h3; Top Overlay "HASL kurşunsuz" at 7.955,-39.682 h3; Top Overlay "Kaplama Tipi" at -20.955,-39.682 h3; Top Overlay "Yeşil" at 7.958,-44.122 h3; Top Overlay "Beyaz" at 7.955,-48.522 h3; Top Overlay "Top Serigrafi" at -20.955,-48.522 h3; Top Overlay "PCB Rengi" at -20.955,-44.122 h3; Top Overlay "rev01" at 7.955,-17.24 h3; Top Overlay "1 040 1573" at 7.955,-12.73 h3; Top Overlay "Dinamo Kodu" at -20.955,-12.73 h3; Top Overlay "Rev. No." at -20.955,-17.24 h3; Top Overlay "106.10x59.20mm" at 7.955,-21.75 h3; Top Overlay "FR4" at 7.955,-26.072 h3; Top Overlay "1.6mm" at 7.955,-30.632 h3; Top Overlay "35mc." at 7.955,-35.182 h3; Top Overlay "Bakır Kalınlığı" at -20.955,-35.182 h3; Top Overlay "PCB Kalınlığı" at -20.955,-30.632 h3; Top Overlay "PCB Cinsi" at -20.955,-26.072 h3; Top Overlay "PCB Boyutları" at -20.955,-21.75 h3; Top Overlay "Fiducial" at -20.927,-57.508 h3; Top Overlay "Yarım Delik" at 7.948,-57.508 h3
Designator11: Top Overlay "White" at 76.149,-53.25 h3; Top Overlay "Top Silkscreen" at 47.199,-48.525 h3; Top Overlay "Doğa ŞEN" at 76.166,-62.085 h3; Top Overlay "Drawer" at 47.246,-62.085 h3; Top Overlay "HASL unleaded" at 76.156,-39.673 h3; Top Overlay "Coating Type" at 47.246,-39.673 h3; Top Overlay "Green" at 76.156,-44.113 h3; Top Overlay "White" at 76.149,-48.65 h3; Top Overlay "Solder Mask" at 47.246,-44.113 h3; Top Overlay "FR4" at 76.156,-26.063 h3; Top Overlay "1.6mm" at 76.156,-30.623 h3; Top Overlay "35mc." at 76.156,-35.173 h3; Top Overlay "Copper Thickness" at 47.246,-35.173 h3; Top Overlay "PCB Thickness" at 47.246,-30.623 h3; Top Overlay "PCB Type" at 47.246,-26.063 h3; Top Overlay "Dimensions" at 47.246,-21.823 h3; Top Overlay "rev01" at 76.156,-17.313 h3; Top Overlay "1 040 1573" at 76.156,-12.803 h3; Top Overlay "Dinamo Code" at 47.246,-12.803 h3; Top Overlay "Rev. No." at 47.246,-17.313 h3; Top Overlay "Half Hole" at 76.149,-57.582 h3; Top Overlay "Bottom Silkscreen" at 47.274,-53.025 h3; Top Overlay "Fiducial" at 47.274,-57.582 h3; Top Overlay "106.10x59.20mm" at 76.156,-21.823 h3